# Altium PCB pi4.PcbDoc (part 4 of 4)
Units mm, origin at the board's own origin, x right, y up, seen from the top; angles counter-clockwise.
Board outline 90 x 90 mm, 6 copper layers (Top Layer, GND, Layer 1, Layer 2, +3.3V, Bottom Layer), stack 1.576 mm thick; 206 components, 185 nets, 1058 pads, 526 vias.
Unrouted connection lines stored in the file: 110.
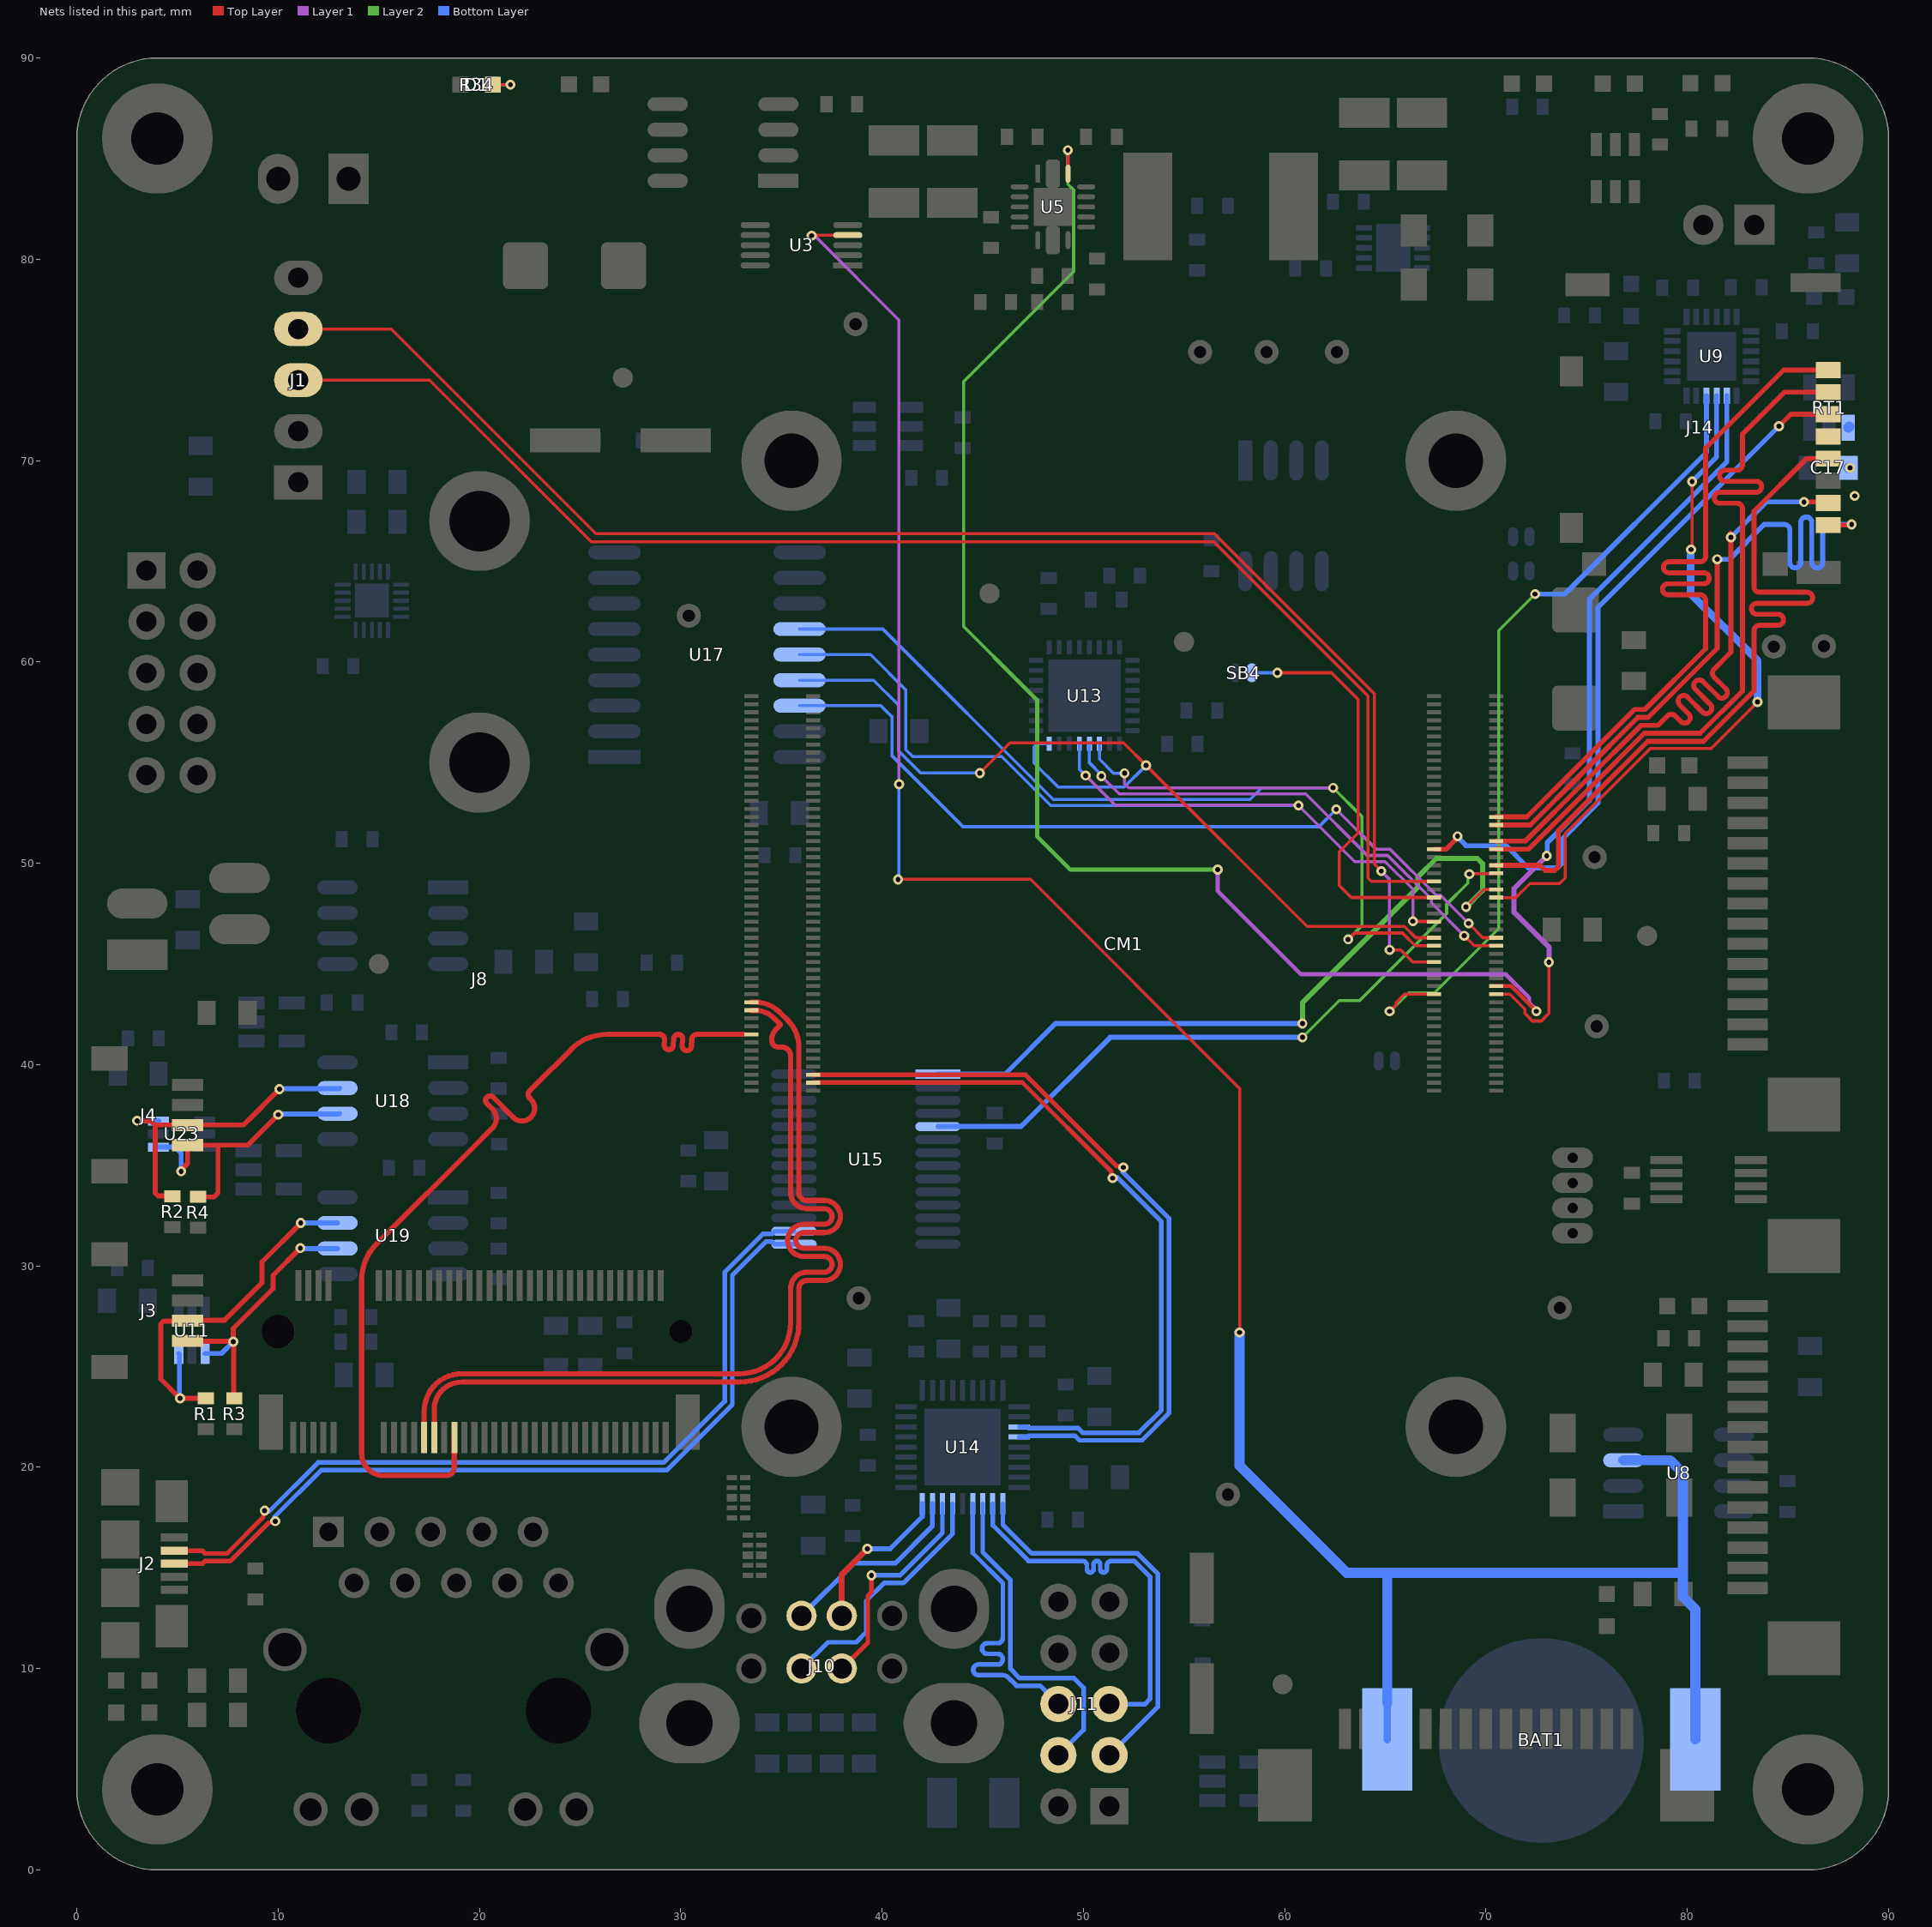
[diagram p8: the nets of this part, all layers, seen from the top]

## Via types
v1: diameter 0.5, hole 0.25, Top Layer to Bottom Layer, tented both sides, 427 vias
v2: diameter 0.5, hole 0.25, Top Layer to Bottom Layer, 94 vias
v3: diameter 1.27, hole 0.711, Top Layer to Bottom Layer, tented both sides, 5 vias

## Nets (pads, with @x,y where several pads share a name; then routed paths per layer and width w, separated by ;. In a path a pad name is that pad's centre, name@x,y a point inside that pad or via, vN(x,y) a via of type N, cw(c..) or ccw(c..) an arc to the next point about the centre after c; other vN are vias at no path point) (continued)
PCIe_RX_P: CM1.116 J8.43 | length 45.7
  Top Layer w0.259: J8.43@18.75,21.475 18.75,19.995 cw(c18.338,19.995) 18.338,19.583 15.24,19.583 cw(c15.24,20.676) 14.148,20.676 14.148,29.301 cw(c16.688,29.301) 14.892,31.097 19.977,36.182 20.213,36.418 ccw(c20.069,36.563) 20.214,36.419 20.643,36.848 ccw(c20.171,37.322) 20.643,37.795 20.368,38.07 ; 20.368,38.07 cw(c20.522,38.225) 20.367,38.38 cw(c20.522,38.225) 20.677,38.38 ; 20.677,38.379 21.669,37.387 ccw(c22.113,37.831) 22.557,37.387 ccw(c22.113,37.831) 22.557,38.275 ; 22.497,38.702 ccw(c22.68,38.519) 22.497,38.335 22.556,38.276 ; 22.498,38.703 22.733,38.938 24.554,40.76 cw(c26.351,38.964) 25.566,41.379 cw(c26.351,38.964) 26.351,41.504 28.372,41.504 28.43,41.504 28.936,41.504 cw(c28.936,41.244) 29.195,41.228 29.179,40.985 ccw(c29.404,40.971) 29.389,40.747 ccw(c29.404,40.971) 29.628,40.957 29.649,41.287 cw(c29.873,41.273) 30.098,41.258 30.077,40.928 ccw(c30.301,40.914) 30.287,40.69 ccw(c30.301,40.914) 30.526,40.9 30.549,41.261 cw(c30.807,41.244) 30.807,41.504 31.52,41.504 33.139,41.504 33.147,41.511
PCIe_TX_N: CM1.124 J8.47 | length 45.7
  Top Layer w0.259: J8.47@17.75,21.475 17.75,22.866 cw(c19.116,22.866) 19.116,24.232 32.918,24.232 ccw(c32.918,27.181) 35.868,27.181 35.868,27.664 35.868,28.887 cw(c36.258,28.887) 36.258,29.277 37.125,29.277 ccw(c37.125,30.076) 37.125,30.876 36.111,30.876 cw(c36.111,31.266) 36.111,31.655 37.125,31.655 ccw(c37.125,32.455) 37.125,33.254 36.258,33.254 cw(c36.258,33.644) 35.868,33.644 35.868,33.978 35.868,40.866 ccw(c33.981,40.866) 35.315,42.2 34.923,42.592 ; CM1.124@33.5,43.1 33.665,43.109 cw(c33.679,42.85) 33.678,43.109 cw(c33.679,41.353) 34.921,42.594 34.922,42.593
PCIe_TX_P: CM1.122 J8.49 | length 45.7
  Top Layer w0.259: J8.49@17.25,21.475 17.25,22.775 cw(c19.116,22.775) 19.116,24.641 32.918,24.641 ccw(c32.918,27.181) 35.458,27.181 35.458,27.664 35.458,28.887 cw(c36.258,28.887) 36.258,29.686 37.125,29.686 ccw(c37.125,30.076) 37.125,30.466 36.111,30.466 cw(c36.111,31.266) 36.111,32.065 37.125,32.065 ccw(c37.125,32.455) 37.125,32.845 36.258,32.845 cw(c36.258,33.644) 35.458,33.644 35.458,33.978 35.458,40.426 ccw(c35.016,40.426) 35.016,40.869 34.849,40.869 cw(c34.849,41.199) 34.519,41.199 34.519,41.224 cw(c35.277,41.224) 34.771,41.789 34.776,41.794 34.852,41.87 34.953,41.972 34.944,41.992 34.852,42.085 34.777,42.16 ; CM1.122@33.509,42.691 33.836,42.691 cw(c33.679,41.353) 34.633,42.304 34.776,42.161
PCM.CLK: CM1.49 U9.21 | length 35.4
  Top Layer w0.15: CM1.49@70.5,48.3 71.49,48.3 72.187,48.997 73.66,48.997 73.939,49.276 73.939,51.474 75.133,52.668 78.177,55.712 81.192,55.712 v1(83.492,58.011) ; v1(80.188,65.583) 80.239,65.634 v1(80.239,68.959)
  Bottom Layer w0.15: v1@80.162,65.557 v1(80.188,65.583)
  Bottom Layer w0.246: v1(80.239,68.959) 81.458,70.177 U9.21@81.458,73.228
  Bottom Layer w0.381: v1@80.162,65.557 80.162,63.398 83.492,60.069 v1(83.492,58.011)
PCM.DOUT: CM1.25 U9.20 | length 39.2
  Top Layer w0.152: CM1.25@70.5,43.5 71.185,43.5 71.926,42.758 71.926,42.549 72.306,42.169 72.75,42.169 73.076,42.494 73.088,42.494 73.127,42.533 v1(73.127,45.085)
  Layer 1 w0.246: 71.399,48.745 v1(73.018,50.364)
  Layer 1 w0.254: 71.399,48.745 71.399,47.563 73.127,45.836 v1(73.127,45.085)
  Bottom Layer w0.246: v1(73.018,50.364) 73.042,50.388 73.042,51.02 75.133,53.111 75.133,63.113 81.966,69.946 U9.20@81.966,73.228
PCM.FS: CM1.26 U9.22 | length 41.4
  Top Layer w0.152: v1(65.217,42.645) 65.217,42.655 65.55,42.989 65.55,43.096 65.954,43.5 CM1.26@67.42,43.5
  Layer 2 w0.152: v1(65.217,42.645) 65.251,42.645 66.167,43.561 67.437,43.561 70.634,46.758 70.634,61.566 v1(72.441,63.373)
  Bottom Layer w0.246: v1(72.441,63.373) 73.914,63.373 80.95,70.409 U9.22@80.95,73.228
PGOOD: CM1.27 U5.14 | length 70.9
  Top Layer w0.152: v2(49.225,85.42) 49.225,85.344 49.239,85.331 U5.14@49.239,84.251
  Top Layer w0.203: CM1.27@70.5,43.9 71.248,43.9 v1(72.503,42.645)
  Layer 1 w0.203: v2(56.667,49.682) 56.667,48.641 60.82,44.488 70.984,44.488 72.149,43.323 72.149,43.075 72.503,42.721 v1(72.503,42.645)
  Layer 2 w0.152: 45.568,60.249 44.044,61.773 44.044,73.914 49.515,79.385 49.515,83.445 49.225,83.735 v2(49.225,85.42)
  Layer 2 w0.203: 45.568,60.249 47.701,58.115 47.701,51.333 49.352,49.682 v2(56.667,49.682)
POWER: D1.2 R34.2 | length 1.8
  Top Layer w0.15: D1.2@20.663,88.671 v2(21.539,88.671)
  Bottom Layer w0.15: R34.2@20.658,88.639 R34.2@20.625,88.671 v2(21.539,88.671)
SCL1: J4.4 R4.2 U18.6 U23.4 | length 15.3
  Top Layer w0.25: v2(5.182,34.696) 5.182,34.764 5.5,35.082 J4.4@5.5,36 7.087,36 ; R4.2@6.02,33.426 6.807,33.426 7.01,33.63 7.01,35.924 7.087,36 ; v1(10.008,37.516) 8.492,36 7.087,36
  Bottom Layer w0.25: U23.4@4.057,35.901 4.892,35.901 5.182,35.611 v2(5.182,34.696) ; v1(10.008,37.516) 10.032,37.54 13.026,37.54 U18.6@13.051,37.565
SCL6: J3.4 R3.2 U11.4 U19.6 | length 14.7
  Top Layer w0.25: J3.4@5.5,26.282 5.522,26.26 7.751,26.26 v2(7.772,26.238) ; R3.2@7.823,23.419 7.792,23.45 7.792,26.219 v2(7.772,26.238) ; v1(11.1,30.886) 9.747,29.534 9.747,28.873 7.772,26.899 v2(7.772,26.238)
  Bottom Layer w0.25: U11.4@6.365,25.647 7.181,25.647 v2(7.772,26.238) v2@7.772,26.171 ; v1(11.1,30.886) 11.121,30.865 U19.6@12.951,30.865
SD_CLK: CM1.57 J14.5 | length 39.4
  Top Layer w0.246: CM1.57@70.5,49.9 72.683,49.9 72.94,49.643 73.415,49.643 73.591,49.819 73.591,51.618 75.276,53.303 78.033,56.06 80.801,56.06 83.312,58.571 83.312,60.82 83.312,61.244 83.312,61.55 cw(c83.585,61.55) 83.585,61.823 84.504,61.823 ccw(c84.504,62.096) 84.777,62.096 ccw(c84.504,62.096) 84.504,62.369 83.461,62.369 cw(c83.461,62.642) 83.188,62.642 cw(c83.461,62.642) 83.461,62.915 85.958,62.915 ccw(c85.958,63.188) 86.231,63.188 ccw(c85.958,63.188) 85.958,63.461 83.585,63.461 cw(c83.585,63.734) 83.312,63.734 83.312,64.349 83.312,67.488 85.924,70.1 J14.5@87,70.1
SD_CMD: CM1.62 J14.3 | length 36.3
  Top Layer w0.246: CM1.62@67.42,50.7 68.021,50.7 68.19,50.869 68.19,50.876 68.586,51.273 v1(68.586,51.342) ; v1(84.557,71.704) 85.152,72.3 J14.3@87,72.3
  Bottom Layer w0.246: v1(68.586,51.342) 68.586,51.31 68.993,50.903 68.993,50.864 71.005,50.864 72.094,49.775 73.547,49.775 73.812,50.04 73.812,51.231 75.565,52.983 75.565,62.713 79.07,66.218 v1(84.557,71.704)
SD_DAT0: CM1.63 J14.7 | length 33.9
  Top Layer w0.246: CM1.63@70.5,51.1 71.953,51.1 74.948,54.095 77.705,56.852 78.151,56.852 78.543,56.852 79.013,57.322 cw(c79.206,57.129) 79.399,57.322 79.676,57.045 ccw(c79.869,57.238) 80.062,57.045 ccw(c79.869,57.238) 80.062,57.431 79.626,57.868 cw(c79.819,58.061) 79.626,58.254 cw(c79.819,58.061) 80.012,58.254 80.75,57.515 ccw(c80.943,57.708) 81.136,57.515 ccw(c80.943,57.708) 81.136,57.901 80.398,58.64 cw(c80.591,58.833) 80.398,59.026 cw(c80.591,58.833) 80.784,59.026 81.522,58.287 ccw(c81.715,58.48) 81.908,58.287 ccw(c81.715,58.48) 81.908,58.673 81.33,59.252 cw(c81.523,59.445) 81.33,59.638 82.065,60.373 82.169,60.477 v1(82.169,66.192) 82.144,66.218 v1@82.144,66.396 ; v1(85.801,67.945) 86.955,67.945 J14.7@87,67.9
  Bottom Layer w0.246: v1(82.169,66.192) 83.922,67.945 v1(85.801,67.945)
SD_DAT1: CM1.67 J14.8 | length 35.9
  Top Layer w0.246: CM1.67@70.5,51.9 72.193,51.9 74.784,54.491 77.541,57.248 78.06,57.248 81.483,60.671 81.483,64.973 v1@81.509,64.999 ; J14.8@87,66.8 88.136,66.8 v1(88.163,66.827)
  Bottom Layer w0.246: v1(81.483,65.1) 82.093,65.1 83.82,66.827 84.15,66.827 84.819,66.827 cw(c84.819,66.554) 85.092,66.554 85.092,64.947 ccw(c85.365,64.947) 85.365,64.674 ccw(c85.365,64.947) 85.638,64.947 85.638,66.929 cw(c85.911,66.929) 85.911,67.202 cw(c85.911,66.929) 86.184,66.929 86.184,64.947 ccw(c86.457,64.947) 86.457,64.674 ccw(c86.457,64.947) 86.73,64.947 86.73,66.554 cw(c87.003,66.554) 87.003,66.827 87.452,66.827 v1(88.163,66.827)
SD_DAT2: CM1.69 J14.1 | length 39.4
  Top Layer w0.246: CM1.69@70.5,52.3 72.033,52.3 74.62,54.887 75.943,56.21 77.377,57.644 77.896,57.644 80.91,60.658 80.91,62.941 80.91,63.064 ccw(c80.637,63.064) 80.637,63.337 79.038,63.337 cw(c79.038,63.61) 78.765,63.61 cw(c79.038,63.61) 79.038,63.883 80.814,63.883 ccw(c80.814,64.156) 81.087,64.156 ccw(c80.814,64.156) 80.814,64.429 79.088,64.429 cw(c79.088,64.702) 78.815,64.702 cw(c79.088,64.702) 79.088,64.975 80.637,64.975 ccw(c80.637,65.248) 80.91,65.248 80.91,65.903 80.91,70.622 84.788,74.5 J14.1@87,74.5
SD_DAT3: CM1.61 J14.2 | length 39.4
  Top Layer w0.246: CM1.61@70.5,50.7 72.113,50.7 75.112,53.699 77.869,56.456 80.637,56.456 82.742,58.561 82.742,67.488 82.742,67.611 ccw(c82.469,67.611) 82.469,67.884 81.612,67.884 cw(c81.612,68.157) 81.339,68.157 cw(c81.612,68.157) 81.612,68.43 83.421,68.43 ccw(c83.421,68.703) 83.694,68.703 ccw(c83.421,68.703) 83.421,68.976 81.872,68.976 cw(c81.872,69.249) 81.599,69.249 cw(c81.872,69.249) 81.872,69.522 82.469,69.522 ccw(c82.469,69.795) 82.742,69.795 82.742,71.12 82.742,71.312 84.83,73.4 J14.2@87,73.4
SDA1: J4.3 R2.2 U18.7 U23.6 | length 16.3
  Top Layer w0.25: v2(2.997,37.211) 3.675,37.211 3.886,37 ; R2.2@4.75,33.452 4.724,33.477 4.039,33.477 3.886,33.63 3.886,37 ; v1(10.063,38.781) 9.613,38.332 8.844,37.562 8.281,37 J4.3@5.5,37 3.886,37
  Bottom Layer w0.25: v2(2.997,37.211) 3.008,37.201 U23.6@4.057,37.201 ; v1(10.063,38.781) 10.09,38.808 13.024,38.808 U18.7@13.051,38.835
SDA6: J3.3 R1.2 U11.6 U19.7 | length 19.1
  Top Layer w0.25: J3.3@5.5,27.282 5.476,27.257 4.312,27.257 4.166,27.111 4.166,24.384 v2(5.13,23.419) R1.2@6.401,23.419 ; J3.3@5.5,27.3 7.336,27.3 9.195,29.159 9.195,30.201 v1(11.125,32.131)
  Bottom Layer w0.25: U11.6@5.065,25.647 5.098,25.614 5.098,23.452 v2(5.13,23.419) ; v1(11.125,32.131) 11.127,32.133 12.949,32.133 U19.7@12.951,32.135
SPI0.CE0: CM1.39 U17.16 | length 41.2
  Top Layer w0.152: v1(69.139,47.01) 69.849,46.3 CM1.39@70.5,46.3
  Layer 1 w0.152: v1(62.56,52.68) 64.55,50.69 65.246,50.69 67.523,48.412 67.737,48.412 v1(69.139,47.01)
  Bottom Layer w0.152: U17.16@35.9,57.825 39.938,57.825 40.503,57.259 40.503,55.331 44.018,51.816 61.697,51.816 v1(62.56,52.68)
SPI0.CE1: CM1.37 U13.20 | length 25.1
  Top Layer w0.152: v1(68.917,46.399) 69.417,45.9 CM1.37@70.5,45.9
  Layer 1 w0.152: v1(50.894,54.331) 51.781,53.444 61.052,53.444 64.108,50.387 65.121,50.387 67.285,48.223 67.285,48.032 v1(68.917,46.399)
  Bottom Layer w0.152: U13.20@50.301,55.932 50.301,54.988 50.894,54.395 v1(50.894,54.331)
SPI0.MISO: CM1.40 U13.24 U17.15 | length 47.5
  Top Layer w0.152: v1(44.856,54.483) 46.355,55.982 51.994,55.982 v1(53.111,54.864) 61.11,46.865 65.948,46.865 66.514,46.3 CM1.40@67.42,46.3
  Bottom Layer w0.152: U17.15@35.9,59.095 39.584,59.095 40.806,57.873 40.806,55.591 41.914,54.483 v1(44.856,54.483) ; U13.24@48.301,55.932 47.702,55.932 47.549,55.778 47.549,54.979 48.748,53.779 52.026,53.779 v1(53.111,54.864)
SPI0.MOSI: CM1.44 U13.21 U17.14 | length 52.6
  Top Layer w0.152: v1(66.37,47.117) 66.379,47.109 67.412,47.109 CM1.44@67.42,47.1
  Layer 1 w0.152: v1(50.114,54.356) 51.587,52.883 60.675,52.883 v1(60.686,52.872) ; v1@60.689,52.875 63.478,50.085 64.995,50.085 66.37,48.71 v1(66.37,47.117)
  Bottom Layer w0.152: U17.14@35.9,60.365 39.432,60.365 41.183,58.614 41.183,55.642 41.529,55.296 45.949,55.296 48.373,52.872 v1(60.686,52.872) ; U13.21@49.801,55.932 49.801,54.669 v1(50.114,54.356)
SPI0.SCLK: CM1.38 U13.19 U17.13 | length 56.6
  Top Layer w0.152: v1(63.153,46.222) 63.464,46.533 65.853,46.533 66.486,45.9 CM1.38@67.42,45.9
  Layer 1 w0.152: v1(52.044,54.47) 52.044,53.961 52.259,53.746 61.595,53.746 v1(62.408,53.746)
  Layer 2 w0.152: v1(62.408,53.746) 63.83,52.324 63.83,46.899 v1(63.153,46.222)
  Bottom Layer w0.152: U17.13@35.9,61.635 40.037,61.635 48.498,53.174 58.28,53.174 58.852,53.746 v1(62.408,53.746) ; U13.19@50.801,55.932 50.801,55.168 51.499,54.47 v1(52.044,54.47)
TPM_nRST: CM1.50 SB4.1 | length 20.4
  Top Layer w0.152: v2(59.639,59.461) 62.332,59.461 63.652,58.141 63.652,51.511 62.713,50.571 62.713,48.895 63.308,48.3 CM1.50@67.42,48.3
  Bottom Layer w0.152: SB4.1@58.369,59.461 v2(59.639,59.461)
UART0.RXD: CM1.51 U15.1 | length 36.8
  Top Layer w0.152: v1(69.012,47.828) 69.884,48.7 CM1.51@70.5,48.7
  Layer 2 w0.25: v1(60.884,42.043) 60.884,43.078 66.606,48.801 66.606,49.309 67.539,50.241 69.571,50.241 69.833,49.979 69.833,48.649 v1(69.012,47.828)
  Bottom Layer w0.25: U15.1@42.775,39.525 46.104,39.525 48.616,42.037 60.877,42.037 v1(60.884,42.043)
UART0.TXD: CM1.55 U15.5 | length 33.4
  Top Layer w0.152: v1(69.173,49.464) 69.19,49.482 70.482,49.482 CM1.55@70.5,49.5
  Layer 2 w0.152: v1(60.884,41.351) 62.705,43.173 63.721,43.173 68.047,47.498 68.047,47.962 69.106,49.021 69.106,49.398 v1(69.173,49.464)
  Bottom Layer w0.25: U15.5@42.775,36.925 46.907,36.925 51.333,41.351 v1@60.833,41.351
UART3.RXD: CM1.34 J1.4 | length 76.5
  Top Layer w0.152: J1.4@11,76.54 15.611,76.54 25.781,66.37 56.502,66.37 64.465,58.407 64.465,49.953 64.798,49.62 v1(64.798,49.609) ; v1(65.21,45.696) 65.763,45.696 66.359,45.1 CM1.34@67.42,45.1
  Layer 1 w0.152: v1(64.798,49.609) 65.21,49.197 v1(65.21,45.696)
UART3.TXD: CM1.54 J1.3 | length 72
  Top Layer w0.152: J1.3@11,74 17.516,74 25.552,65.964 56.481,65.964 64.135,58.309 64.135,49.272 64.307,49.1 CM1.54@67.42,49.1
USB_N: CM1.103 U14.30 | length 97.8
  Top Layer w0.15: CM1.103@36.905,39.125 36.93,39.15
  Top Layer w0.23: CM1.103@36.58,39.1 36.59,39.11 46.971,39.11 ; v1(51.457,34.362) 51.386,34.433 51.386,34.695 46.971,39.11 ; CM1.103@36.905,39.11 46.971,39.11 ; CM1.103@36.905,39.11 46.971,39.11 ; CM1.103@36.905,39.11 46.971,39.11 ; CM1.103@36.905,39.11 46.971,39.11 ; CM1.103@36.905,39.11 46.971,39.11 ; CM1.103@36.905,39.11 46.971,39.11
  Bottom Layer w0.23: U14.30@46.817,22 47.221,22 47.281,21.94 49.743,21.94 49.966,21.717 52.756,21.717 53.873,22.835 53.873,32.207 51.683,34.398 51.492,34.398 v1(51.457,34.362)
USB_P: CM1.105 U14.31 | length 38.6
  Top Layer w0.23: CM1.105@36.58,39.5 36.59,39.49 47.128,39.49 51.654,34.963 51.916,34.963 v1(51.987,34.893)
  Bottom Layer w0.23: U14.31@46.817,21.5 47.221,21.5 47.281,21.56 49.585,21.56 49.809,21.336 52.912,21.336 54.253,22.677 54.253,32.365 51.951,34.667 51.951,34.857 v1(51.987,34.893)
USBD_N: J2.2 U15.16 | length 41.4
  Top Layer w0.23: J2.2@4.834,15.858 6.226,15.858 6.37,15.715 7.46,15.715 9.26,17.515 9.26,17.777 v1(9.331,17.847)
  Bottom Layer w0.23: v1(9.331,17.847) 9.366,17.812 9.557,17.812 11.978,20.233 29.148,20.233 32.183,23.268 32.183,29.695 34.078,31.59 34.53,31.59 34.665,31.725 U15.16@35.625,31.725
USBD_P: J2.3 U15.15 | length 41.4
  Top Layer w0.23: J2.3@4.834,15.208 6.243,15.208 6.37,15.335 7.617,15.335 9.528,17.246 9.79,17.246 v1(9.861,17.317)
  Bottom Layer w0.23: v1(9.861,17.317) 9.825,17.353 9.825,17.543 12.135,19.853 29.306,19.853 32.563,23.11 32.563,29.538 34.235,31.21 34.53,31.21 34.665,31.075 U15.15@35.625,31.075
USBDN1_N: J11.3 U14.1 | length 19.7
  Bottom Layer w0.23: U14.1@46,18.183 46,17.15 47.427,15.723 52.683,15.723 53.694,14.712 53.694,8.094 J11.3@51.3,5.7
USBDN1_P: J11.5 U14.2 | length 19.8
  Bottom Layer w0.23: U14.2@45.5,18.183 45.5,17.113 47.27,15.343 49.152,15.343 49.947,15.343 cw(c49.947,15.113) 50.177,15.113 50.177,14.938 ccw(c50.342,14.938) 50.507,14.938 50.507,15.178 cw(c50.672,15.178) 50.837,15.178 50.837,14.938 ccw(c51.002,14.938) 51.166,14.938 51.166,15.113 cw(c51.396,15.113) 51.396,15.343 51.511,15.343 52.526,15.343 53.315,14.554 53.315,8.494 53.043,8.222 51.318,8.222 J11.5@51.3,8.24
USBDN2_N: J11.4 U14.3 | length 16.7
  Bottom Layer w0.23: U14.3@45,18.183 45,15.782 46.379,14.403 46.379,9.982 46.836,9.525 49.53,9.525 50.013,9.042 50.013,6.953 J11.4@48.76,5.7
USBDN2_P: J11.6 U14.4 | length 16.7
  Bottom Layer w0.23: U14.4@44.5,18.183 44.5,15.745 45.999,14.246 45.999,11.953 45.999,11.525 cw(c45.734,11.525) 45.734,11.26 45.225,11.26 ccw(c45.225,10.995) 45.225,10.73 45.734,10.73 cw(c45.734,10.465) 45.734,10.201 44.793,10.201 ccw(c44.793,9.936) 44.793,9.671 45.966,9.671 cw(c45.966,9.218) 46.286,9.538 46.401,9.423 46.679,9.145 47.855,9.145 J11.6@48.76,8.24
USBDN3_N: J10.2A U14.6 | length 12.7
  Bottom Layer w0.23: J10.2A@36,10 37.303,11.303 38.71,11.303 39.218,11.811 39.218,13.36 40.108,14.251 41.051,14.251 43.5,16.699 U14.6@43.5,18.183
USBDN3_P: J10.3A U14.7 | length 11.1
  Top Layer w0.23: J10.3A@38,10 38.016,10 39.294,11.278 39.294,13.614 39.472,13.792 v1(39.472,14.63)
  Bottom Layer w0.23: v1(39.472,14.63) 40.894,14.63 43,16.736 U14.7@43,18.183
USBDN4_N: J10.2B U14.8 | length 9.5
  Bottom Layer w0.241: J10.2B@36,12.62 38.608,15.228 40.013,15.228 40.654,15.228 42.5,17.075 U14.8@42.5,18.183
USBDN4_P: J10.3B U14.9 | length 7.9
  Top Layer w0.296: J10.3B@38,12.62 38,14.678 38.696,15.374 v1(39.268,15.947)
  Bottom Layer w0.241: v1(39.268,15.947) 40.407,15.947 42,17.54 U14.9@42,18.183
VBAT: BAT1.1 U3.4 U8.3 | length 124.9
  Top Layer w0.15: v1(36.5,81.178) 36.511,81.189 38.289,81.189 U3.4@38.3,81.2 ; v1(40.792,49.2) 47.371,49.2 57.76,38.811 v1(57.76,26.695)
  Layer 1 w0.15: v1(36.5,81.178) 36.652,81.178 40.843,76.987 v1(40.843,53.924)
  Bottom Layer w0.15: v1(40.792,49.2) 40.843,49.251 v1(40.843,53.924)
  Bottom Layer w0.381: BAT1.1@65.096,6.476 BAT1.1@65.096,8.28
  Bottom Layer w0.5: v1(57.76,26.695) 57.76,20.066 63.068,14.757 65.096,14.757 ; BAT1.1@65.096,8.28 65.096,14.757 ; U8.3@76.823,20.345 79.146,20.345 79.781,19.71 79.781,14.757 ; BAT1.1@80.396,6.476 80.396,12.949 79.781,13.564 79.781,14.757 ; 65.096,14.757 79.781,14.757
VDD-SDCARD: C17.1 J14.4 RT1.1 | length 0.1
  Bottom Layer w0.508: RT1.1@87.996,71.644 88.003,71.636 RT1.1@88.046,71.679 ; C17.1@88.011,69.647 v2(88.087,69.647)
  other v2: 88.316,68.25
pads on no net: CM1.0 CM1.16 CM1.19 CM1.64 CM1.68 CM1.70 CM1.72 CM1.73 CM1.76 CM1.104 CM1.106 CM1.111 CM1.133 CM1.135 CM1.139 CM1.141 CM1.143 CM1.145 CM1.146 CM1.147 CM1.148 CM1.149 CM1.150 CM1.151 CM1.152 CM1.153 CM1.154 CM1.158 CM1.160 CM1.164 CM1.166 CM1.170 CM1.172 CM1.175 CM1.176 CM1.177 CM1.178 CM1.181 CM1.182 CM1.183 CM1.184 CM1.187 CM1.188 CM1.189 CM1.190 CM1.193 CM1.194 CM1.195 CM1.196 CM1.199 CM1.200 FID1.F FID2.F FID3.F FID4.F FID5.F FID6.F J2.4 J2.S1 J2.S2 J2.S3 J2.S4 J2.S5 J2.S6 J3.S1 J3.S2 J4.S1 J4.S2 J8. J8.1 J8.5 J8.6 J8.7 J8.8 J8.10 J8.11 J8.13 J8.17 J8.19 J8.20 J8.21 J8.22 J8.23 J8.24 J8.25 J8.26 J8.28 J8.29 J8.30 J8.31 J8.32 J8.34 J8.35 J8.36 J8.37 J8.38 J8.40 J8.42 J8.44 J8.46 J8.48 J8.54 J8.56 J8.58 J8.67 J8.68 J8.69 J8.75 J8.HOLE2 J8.S1 J8.S2 J9. J11.9 J11.10 J12.S1 J12.S2 J14.DT J14.SW J16.12 J16.S1 J16.S2 J17.12 J17.S1 J17.S2 RT1.3 U4.7 U5.10 U7.7 U7.8 U8.7 U9.6 U9.14 U9.17 U9.18 U9.19 U10.7 U13.3 U13.4 U13.5 U13.10 U13.11 U13.12 U13.13 U13.15 U13.25 U13.26 U13.27 U13.28 U13.29 U13.30 U13.31 U13.33 U14.11 U14.14 U14.16 U14.18 U14.20 U14.27 U14.34 U15.2 U15.3 U15.6 U15.8 U15.9 U15.10 U15.11 U15.12 U15.13 U15.14 U15.24 U15.27 U15.28 U17.3 U17.4 U17.5 U17.6 U17.10 U17.11 U24.3 U24.11 U24.13 U24.20 U24.21 X3.2 X3.3
copper on no net: | length 11.3
  Top Layer w0.203: v1(62.605,47.946) v1@62.677,47.946
  Layer 1 w0.203: 58.793,51.759 v1(62.605,47.946)
  Layer 2 w0.203: 61.493,53.365 61.493,51.943 62.605,50.831 v1(62.605,47.946)
  other v1: 71.374,78.74

## Polygon pours and split planes (outlines as drawn)
GND on Top Layer "GND_L01_P029" (solid, pour order 29): 0.057,4.004 0.057,86.004 cw(c4.057,86.004) 4.057,90.004 86.057,90.004 cw(c86.057,86.004) 90.057,86.004 90.057,4.004 cw(c86.057,4.004) 86.057,0.004 4.057,0.004 cw(c4.057,4.004)
+5V on Top Layer "+5V_L01_P020" (solid, pour order 20): 39.116,83.82 39.141,83.845 45.548,83.845 45.557,82.81 47.399,82.811 47.412,81.367 45.975,81.38 45.968,81.632 39.501,81.632 39.116,82.017
NetC6_2 on Top Layer "NETC6_2_L01_P003" (solid, pour order 3): 54.737,79.553 54.712,79.578 51.664,79.578 51.664,81.712 51.029,82.347 49.581,82.347 49.581,83.337 51.029,83.337 51.028,83.338 51.028,86.688 54.779,86.688 54.793,86.673
+3.3VU on Top Layer "+3.3VU_L01_P018" (solid, pour order 18): 58.09,86.36 59.944,86.36 59.944,85.852 68.504,85.852 68.504,83.315 67.818,83.058 67.818,77.216 64.008,77.216 61.976,79.248 58.09,79.248
+5VIN on Top Layer "+5VIN_L01_P022" (solid, pour order 22): 31.75,90 31.75,76 24.75,76 24.75,81.75 11.75,81.75 11.75,90
+5V on Top Layer "+5V_L01_P014" (solid, pour order 14): 79.898,59.69 72.466,59.69 72.466,57.353 71.222,56.109 68.783,56.109 68.783,53.711 68.799,53.696 74.117,53.696
+3.3V on Top Layer "+3.3V_L01_P026" (solid, pour order 26): 9.677,30.15 12.243,30.15 12.243,28.169 12.751,27.661 12.751,23.343 10.973,23.343 10.973,27.584 10.592,27.965 9.677,27.965
VDD-SDCARD on Top Layer "VDD-SDCARD_L01_P009" (solid, pour order 9): 86.23,71.75 86.235,71.755 89.179,71.755 89.179,67.462 89.165,67.477 87.77,67.477 87.77,70.65 86.23,70.65
GND on Top Layer "GND_L01_P023" (solid, pour order 23): 24.75,81.75 17.75,81.75 17.75,76 24.75,76
+3.3VI2C on Top Layer "+3.3VI2C_L01_P016" (solid, pour order 16): 68.707,83.82 68.707,80.264 73.406,80.264 73.406,85.852 69.85,85.852 69.85,83.82
+3.3V on Top Layer "+3.3V_L01_P017" (solid, pour order 17): 68.072,80.264 73.406,80.264 73.406,73.406 68.072,73.406
+5V on Top Layer "+5V_L01_P021" (solid, pour order 21): 31.877,89.027 39.472,89.027 39.472,82.296 31.877,82.296
GND on Bottom Layer "GND_L06_P028" (solid, remove dead copper, pour order 28): 0.098,4.072 0.098,86.072 cw(c4.098,86.072) 4.098,90.072 86.098,90.072 cw(c86.098,86.072) 90.098,86.072 90.098,4.072 cw(c86.098,4.072) 86.098,0.072 4.098,0.072 cw(c4.098,4.072)
VDD-SDCARD on Bottom Layer "VDD-SDCARD_L06_P007" (solid, pour order 7): 89.15,72.691 87.528,72.691 87.528,67.516 87.531,67.519 89.147,67.519 89.147,72.688
+5VUSB on Bottom Layer "+5VUSB_L06_P015" (solid, pour order 15): 57.201,4.42 57.201,1.016 39.827,1.016 39.827,8.509 41.716,8.509 41.716,1.93 44.831,1.93 44.831,5.045 46.999,5.045 47.625,4.42
+5VUSB on Bottom Layer "+5VUSB_L06_P012" (solid, pour order 12): 34.773,13.767 34.773,8.534 40.056,8.534 40.107,8.484 40.107,6.375 31.877,6.375 31.344,6.909 31.344,13.564 31.166,13.741
+3.3VI2C on Bottom Layer "+3.3VI2C_L06_P006" (solid, pour order 6): 16.154,35.611 16.154,34.061 11.684,34.061 11.691,34.054 11.691,32.909 8.903,32.909 9.058,33.065 9.058,34.512 10.391,34.512 10.644,34.766 11.438,34.766 11.684,35.012 11.684,35.611
+3.3V on Bottom Layer "+3.3V_L06_P011" (solid, pour order 11): 14.249,23.317 14.249,25.502 13.868,25.502 13.868,28.829 11.481,28.829 11.481,29.82 9.652,29.82 9.652,27.965 10.617,27.965 10.973,27.61 10.973,23.343 10.998,23.317
+3.3VI2C on Bottom Layer "+3.3VI2C_L06_P004" (solid, pour order 4): 16.231,40.157 9.652,40.157 9.634,40.14 9.634,42.01 11.452,42.01 11.971,42.528 11.979,42.52 16.231,42.52
NetC27_1 on Bottom Layer "NETC27_1_L06_P008" (solid, pour order 8): 85.674,80.62 89.154,80.62 89.154,72.695 87.071,72.695 87.071,78.943 87.046,78.918 85.674,78.918
+5V on Bottom Layer "+5V_L06_P027" (solid, pour order 27): 57.455,4.42 64.237,4.42 64.237,1.016 57.455,1.016
+3.3VFTDI on Bottom Layer "+3.3VFTDI_L06_P025" (solid, pour order 25): 41.3,38.049 41.3,29.947 37.16,29.947 37.16,34.392 40.818,38.049
+5V on Layer 2 "+5V_L04_P010" (solid, pour order 10): 0,4 0,86 cw(c4,86) 4,90 86,90 cw(c86,86) 90,86 90,4 cw(c86,4) 86,0 4,0 cw(c4,4)
+3.3V on +3.3V (split plane): 86.249,89.483 86.497,89.456 86.742,89.412 86.984,89.35 87.22,89.272 87.45,89.176 87.673,89.065 87.888,88.937 88.092,88.795 88.287,88.639 88.469,88.469 88.639,88.287 88.795,88.092 88.937,87.888 89.065,87.673 89.176,87.45 89.272,87.22 89.35,86.984 89.412,86.742 89.456,86.497 89.483,86.249 89.491,86.016 89.49,86 89.49,4 89.491,3.984 89.483,3.751 89.456,3.503 89.412,3.258 89.35,3.016 89.272,2.78 89.176,2.55 89.065,2.327 88.937,2.112 88.795,1.908 88.639,1.713 88.469,1.531 88.287,1.361 88.092,1.205 87.888,1.063 87.673,0.935 87.45,0.824 87.22,0.728 86.984,0.65 86.742,0.588 86.497,0.544 86.249,0.517 86.016,0.509 86,0.51 4,0.51 3.984,0.509 3.751,0.517 3.503,0.544 3.258,0.588 3.016,0.65 2.78,0.728 2.55,0.824 2.327,0.935 2.112,1.063 1.908,1.205 1.713,1.361 1.531,1.531 1.361,1.713 1.205,1.908 1.063,2.112 0.935,2.327 0.824,2.55 0.728,2.78 0.65,3.016 0.588,3.258 0.544,3.503 0.517,3.751 0.509,3.984 0.51,4 0.51,86 0.509,86.016 0.517,86.249 0.544,86.497 0.588,86.742 0.65,86.984 0.728,87.22 0.824,87.45 0.935,87.673 1.063,87.888 1.205,88.092 1.361,88.287 1.531,88.469 1.713,88.639 1.908,88.795 2.112,88.937 2.327,89.065 2.55,89.176 2.78,89.272 3.016,89.35 3.258,89.412 3.503,89.456 3.751,89.483 3.984,89.491 4,89.49 24.155,89.49 17.307,82.642 17.279,82.6 17.27,82.55 17.27,70.793 8.798,62.322 8.77,62.28 8.761,62.23 8.761,32.639 8.77,32.589 8.798,32.547 8.84,32.519 8.89,32.51 15.164,32.51 15.213,32.519 15.255,32.547 17.745,35.037 17.773,35.079 17.782,35.128 17.782,58.239 26.762,67.218 26.79,67.26 26.799,67.31 26.799,76.273 30.661,80.135 38.227,80.135 38.277,80.144 38.319,80.172 39.297,81.151 43.126,81.151 43.85,80.426 43.892,80.398 43.942,80.389 73.787,80.389 73.837,80.398 73.879,80.426 74.133,80.68 74.161,80.722 74.17,80.772 74.17,85.598 74.161,85.648 74.133,85.69 73.244,86.579 73.202,86.607 73.152,86.616 59.236,86.616 56.363,89.49 86,89.49 86.016,89.491
+3.3VI2C on +3.3V (split plane): 59.09,86.395 59.132,86.367 59.182,86.358 73.098,86.358 73.912,85.544 73.912,80.826 73.733,80.647 43.996,80.647 43.272,81.372 43.23,81.4 43.18,81.409 39.243,81.409 39.193,81.4 39.151,81.372 38.173,80.393 30.607,80.393 30.557,80.384 30.515,80.356 26.578,76.419 26.55,76.377 26.541,76.327 26.541,67.364 17.561,58.385 17.533,58.343 17.524,58.293 17.524,35.182 15.11,32.768 9.019,32.768 9.019,62.176 17.491,70.647 17.519,70.689 17.528,70.739 17.528,82.496 24.522,89.49 55.996,89.49
GND on GND (split plane): 86.249,89.483 86.497,89.456 86.742,89.412 86.984,89.35 87.22,89.272 87.45,89.176 87.673,89.065 87.888,88.937 88.092,88.795 88.287,88.639 88.469,88.469 88.639,88.287 88.795,88.092 88.937,87.888 89.065,87.673 89.176,87.45 89.272,87.22 89.35,86.984 89.412,86.742 89.456,86.497 89.483,86.249 89.491,86.016 89.49,86 89.49,4 89.491,3.984 89.483,3.751 89.456,3.503 89.412,3.258 89.35,3.016 89.272,2.78 89.176,2.55 89.065,2.327 88.937,2.112 88.795,1.908 88.639,1.713 88.469,1.531 88.287,1.361 88.092,1.205 87.888,1.063 87.673,0.935 87.45,0.824 87.22,0.728 86.984,0.65 86.742,0.588 86.497,0.544 86.249,0.517 86.016,0.509 86,0.51 4,0.51 3.984,0.509 3.751,0.517 3.503,0.544 3.258,0.588 3.016,0.65 2.78,0.728 2.55,0.824 2.327,0.935 2.112,1.063 1.908,1.205 1.713,1.361 1.531,1.531 1.361,1.713 1.205,1.908 1.063,2.112 0.935,2.327 0.824,2.55 0.728,2.78 0.65,3.016 0.588,3.258 0.544,3.503 0.517,3.751 0.509,3.984 0.51,4 0.51,86 0.509,86.016 0.517,86.249 0.544,86.497 0.588,86.742 0.65,86.984 0.728,87.22 0.824,87.45 0.935,87.673 1.063,87.888 1.205,88.092 1.361,88.287 1.531,88.469 1.713,88.639 1.908,88.795 2.112,88.937 2.327,89.065 2.55,89.176 2.78,89.272 3.016,89.35 3.258,89.412 3.503,89.456 3.751,89.483 3.984,89.491 4,89.49 86,89.49 86.016,89.491

## Other copper
Top Layer:
  text "1" at 88.674,14.171 h0.7 r90
Layer 1:
  text "3" at 88.674,15.974 h0.7 r90
Layer 2:
  text "4" at 88.699,16.863 h0.7 r90
Bottom Layer:
  text "6" at 88.648,19.23 h0.7 r90
GND (plane layer: these items are gaps in the copper):
  text "2" at 88.674,14.907 h0.7 r90
+3.3V (plane layer: these items are gaps in the copper):
  lines w0.254: 8.89,32.639 8.89,62.23 17.399,70.739 17.399,82.55 24.765,89.916 55.753,89.916 59.182,86.487 67.183,86.487 73.152,86.487 74.041,85.598 74.041,80.772 73.787,80.518 43.942,80.518 43.18,81.28 39.243,81.28 38.227,80.264 30.607,80.264 26.67,76.327 26.67,67.31 17.653,58.293 17.653,35.128 15.164,32.639 8.89,32.639
  text "5" at 88.699,17.879 h0.7 r90

## Silkscreen, mask and mechanical layers (free items; w line width, h text height)
Top Overlay:
  lines w0.254: 19.5,83 19.5,85 26,85 26,83 19.5,83
  text "USR1" at 82.019,87.988 h0.7 r180
  text "+3.3V" at 73.764,87.963 h0.7 r180
  text "USR2" at 77.803,87.937 h0.7 r180
  text "ACTIVITY" at 27.841,87.912 h0.7 r180
  text "POWER" at 21.415,87.886 h0.7 r180
  text "+" at 16.391,84.178 h0.7 r270
  text "v0.2.0" at 20.495,83.614 h0.8
  text "+5VIN" at 13.922,81.943 h0.7 r180
  text "+" at 77.521,80.548 h3
  text "SPK." at 85.113,80.516 h0.7
  text "+5V" at 12.782,78.75 h0.7
  text "RPLIDAR" at 15.619,77.193 h0.7 r270
  text "+3.3VPI" at 32.814,76.375 h0.7
  text "RXD" at 13.028,76.198 h0.7
  text "TXD" at 12.952,73.608 h0.7
  text "GND" at 13.028,71.143 h0.7
  text "PWM" at 13.231,68.552 h0.7
  text "2242" at 23.315,67.536 h0.7
  text "I/Os" at 7.948,65.738 h0.7 r270
  text "SD CARD" at 78.585,63.345 h0.7
  text "EXTRST" at 31.925,61.948 h0.7
  text "CAM0" at 89.385,59.789 h0.7 r90
  text "h" at 18.999,58.758 h5
  text "o" at 9.931,57.675 h8
  text "2230" at 23.315,55.776 h0.7
  text "%" at 49.854,44.543 h8
  text "High Speed" at 38.276,44.219 h0.7 r90
  text "I2C1" at 6.754,39.753 h0.7 r270
  text "à" at 7.014,37.002 h2 r270
  text "FAN" at 77.112,36.092 h0.7
  text "CAM1" at 85.981,33.373 h0.7 r90
  text "NVMe M.2 Key M" at 15.619,32.006 h0.7
  text "I2C6" at 6.779,29.212 h0.7 r270
  text "DEBUG" at 0.988,20.572 h0.7
  text "ETHERNET Gbit" at 14.12,18.819 h0.7
  text "ç" at 34.571,16.639 h2
  text "32.768kHz" at 73.785,16.304 h0.7
  text "*" at 6.094,16.129 h2 r270
  text "USB 3+4" at 36.523,15.136 h0.7
  text "USB 1+2" at 47.318,15.085 h0.7
  text "DISPLAY" at 67.483,9.105 h0.7
  text "ETH." at 7.414,2.487 h0.7
Bottom Overlay:
  drawing of 223 lines, arcs and shapes, not listed
  text "+5V" at 12.976,85.976 h1 r270
  text "GND" at 9.496,85.798 h1 r270
  text "CURRENTS / MONITORING" at 69.418,84.226 h0.7
  text "HEIG-VD/IAI/YCR" at 31.166,83.566 h1.1
  text "2021-10-13" at 31.115,81.534 h1.1
  text "+5V" at 8.995,78.584 h1
  text "RXD" at 8.995,76.298 h1
  text "TXD" at 8.893,73.504 h1
  text "AUDIO / AMPLIFIER" at 83.642,69.24 h0.7
  text "CAN CONTROLLER" at 33.911,66.85 h0.7
  text "+3.3V" at 5.667,66.418 h1
  text "GND" at 10.265,53.921 h1
  text "TPM 2.0" at 52.377,52.474 h0.7
  text "CAN DRIVER" at 26.289,49.555 h0.7
  text "Q" at 59.121,44.663 h5
  text "Club de Robotique" at 58.903,42.57 h2
  text "FTDI (CONSOLE)" at 44.148,41.019 h0.7
  text "PWM" at 75.568,36.344 h1
  text "I2C ISOLATORS" at 28.677,34.29 h0.7
  text "GND" at 75.771,29.537 h1
  text "RTC" at 80.546,15.72 h0.7
Top Solder:
  text "e" at 66.827,12.801 h5
Top Assembly:
  the board outline again, w0.254

## Text inside footprints (layer, text, board x,y; h text height)
BAT1: Bottom Overlay "+" at 83.513,5.925 h1.27
CM1: Fab Notes "GPIO" at 68.5,46.625 h0.7 r270; Fab Notes "SD" at 68.4,52.991 h0.7 r270; Fab Notes "3V3" at 67.8,54.625 h0.7 r270; Fab Notes "1V8" at 67.8,57.225 h0.7 r270; Fab Notes "DS1" at 34.5,59.049 h0.7 r270; Fab Notes "DSI0" at 35.1,52.949 h0.7 r270; Fab Notes "5V" at 69,55.9 h0.7 r270; Fab Notes "CAM0" at 34,46.783 h0.7 r270; Fab Notes "HDMI0" at 34,56.375 h0.7 r270; Fab Notes "TV" at 35,43.249 h0.7 r270; Fab Notes "ETH" at 68.5,41.249 h0.7 r270; Fab Notes "HDMI1" at 33.9,51.958 h0.7 r270; Fab Notes "CAM1" at 35.1,46.749 h0.7 r270; Fab Notes "USB" at 35.1,41.866 h0.7 r270; Fab Notes "PCIe" at 34,42.949 h0.7 r270
U14: Top 3D Body "*" at 45.615,18.397 h1.27 r270